# Altium PCB Z693_H93-A_KD01_V1.3_X6.PcbDoc (part 2 of 7)
Units mil, origin at the board's own origin, x right, y up, seen from the top; angles counter-clockwise.
Board outline 6229.44 x 4099.52 mil, 4 copper layers (Top Layer, Mid-Layer 1, Mid-Layer 2, Bottom Layer); 1032 components, 62 nets, 3170 pads, 1350 vias.
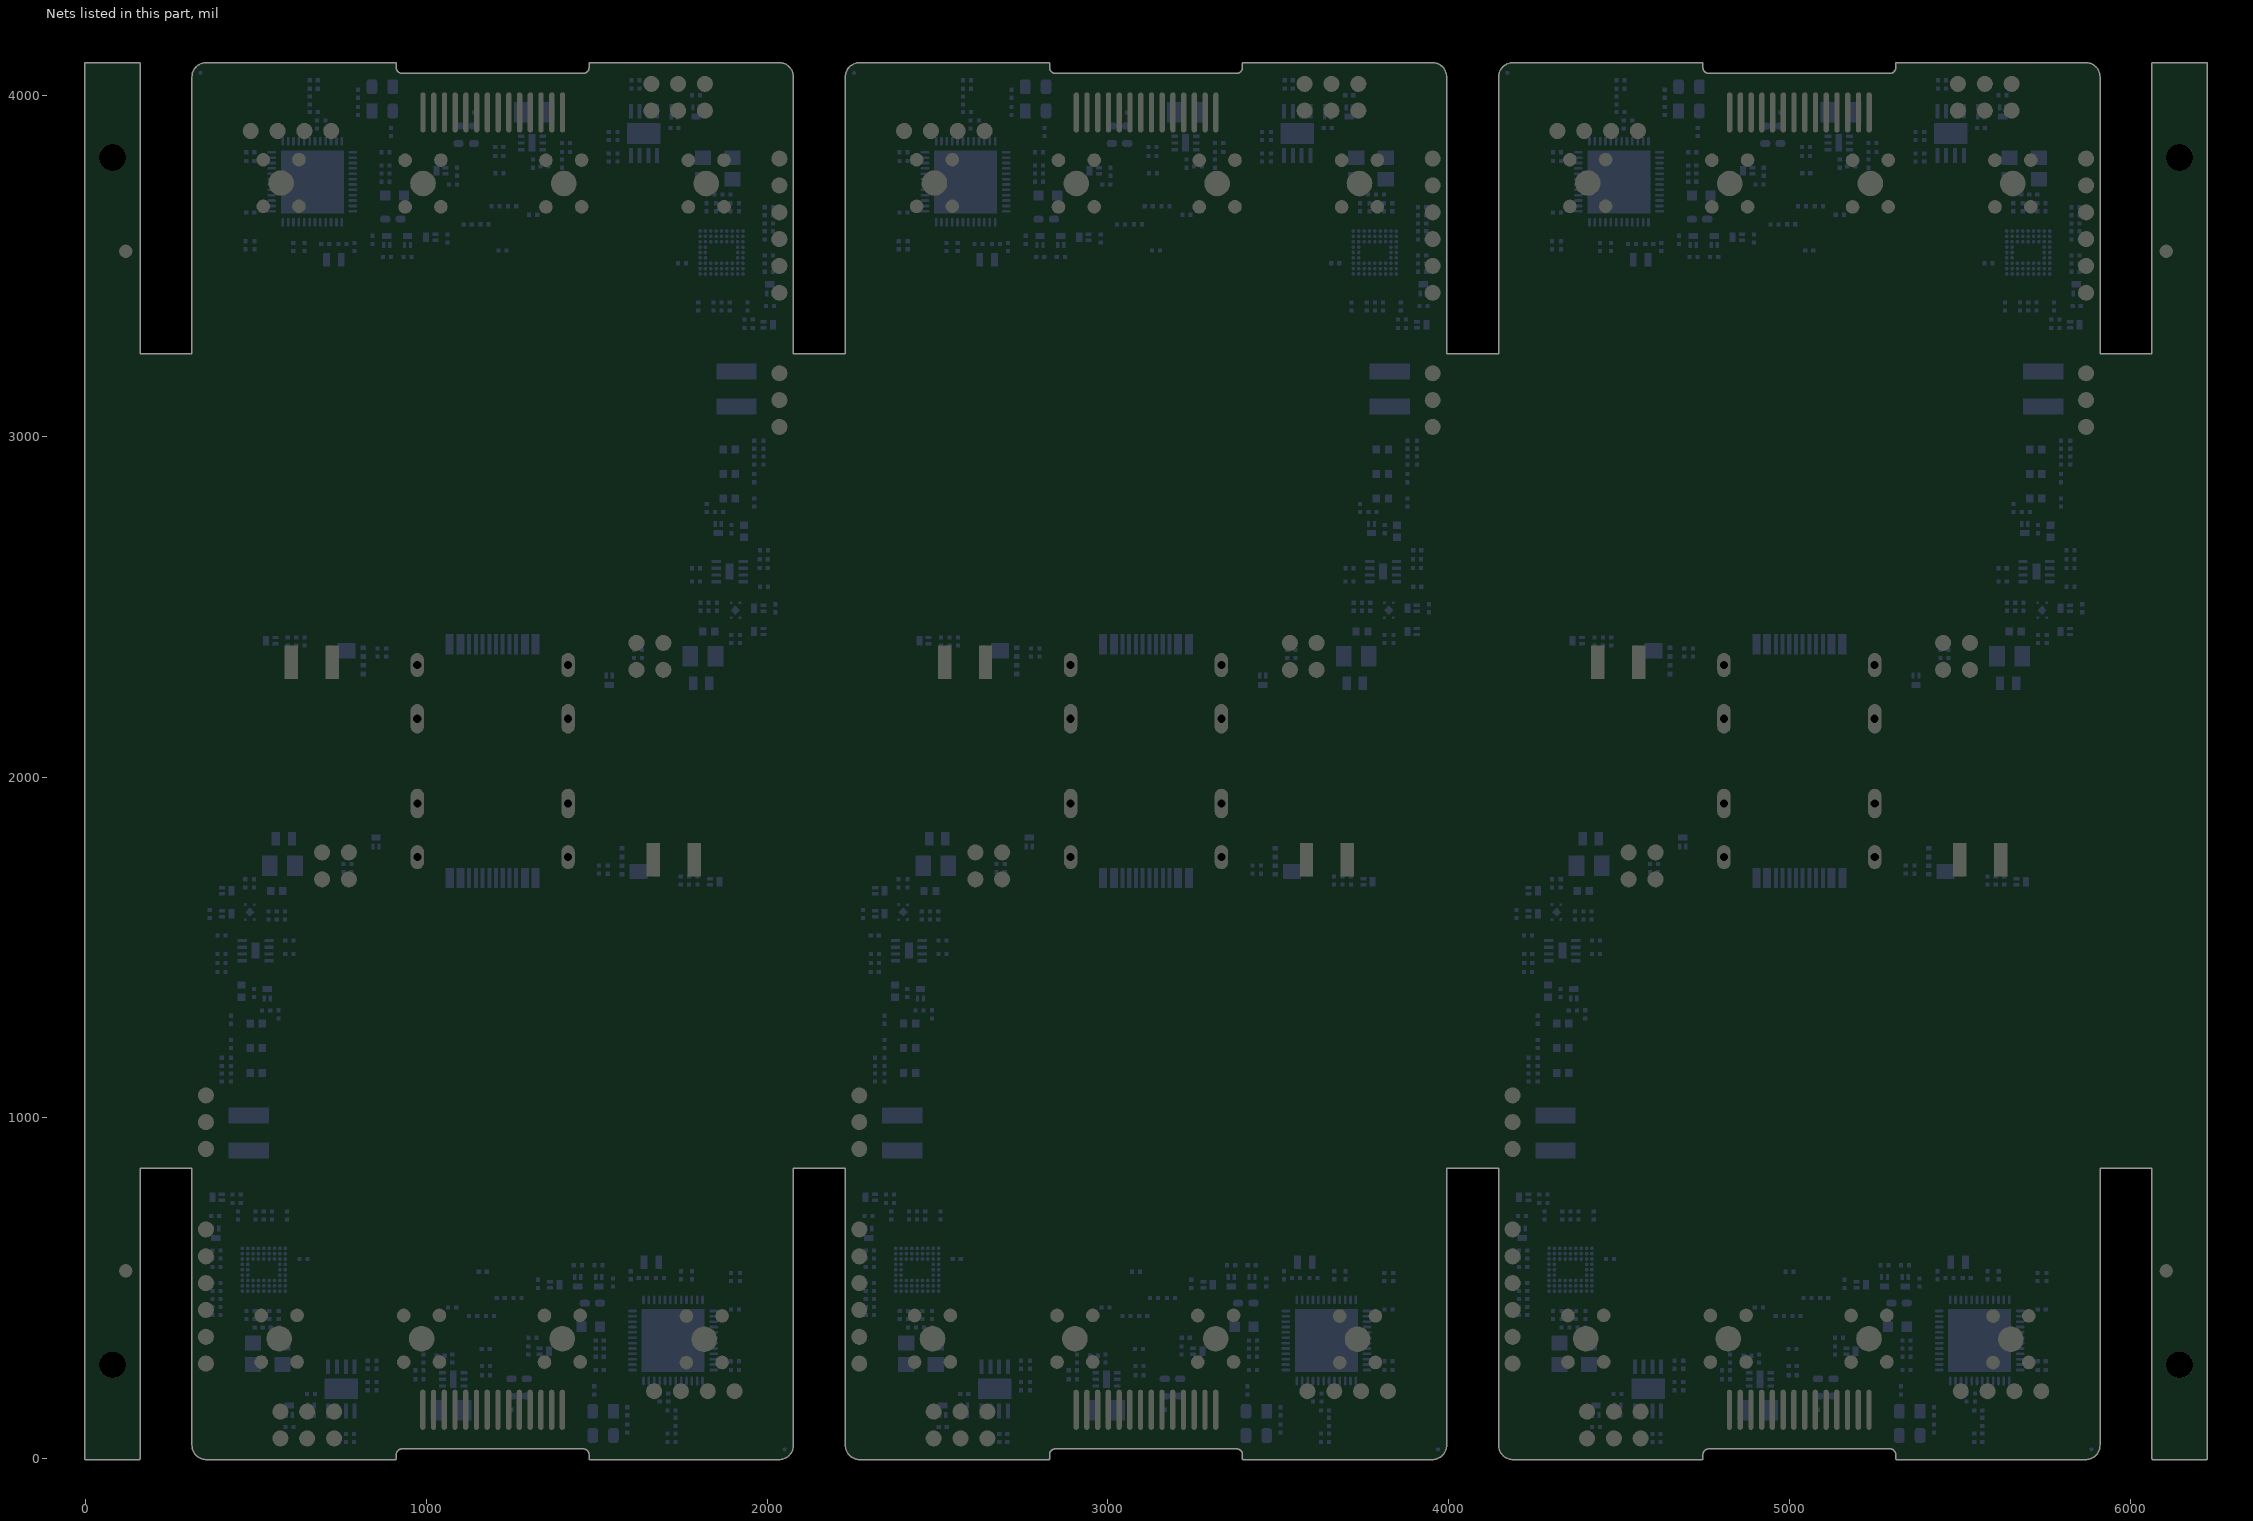
[diagram p4: the nets of this part, all layers, seen from the top]

## Components (designator, comment, footprint, x,y, rotation, side; value= is the part's Value field where it differs from the comment) (continued)
R15 "0R" FT_0201_电阻 642.63,3544.2 r90 bottom
R16 "10k" FT_0201_电阻 372.64,516.1 r0 bottom
R16 "10k" FT_0201_电阻 2289.96,516.1 r0 bottom
R16 "10k" FT_0201_电阻 4207.29,516.1 r0 bottom
R16 "10k" FT_0201_电阻 5851.77,3578.4 r180 bottom
R16 "10k" FT_0201_电阻 3934.45,3578.4 r180 bottom
R16 "10k" FT_0201_电阻 2017.13,3578.4 r180 bottom
R17 "1K1%" FT_0201_电阻 609.89,1481.25 r180 bottom
R17 "1K1%" FT_0201_电阻 2527.21,1481.25 r180 bottom
R17 "1K1%" FT_0201_电阻 4444.54,1481.25 r180 bottom
R17 "1K1%" FT_0201_电阻 5614.52,2613.24 r0 bottom
R17 "1K1%" FT_0201_电阻 3697.2,2613.24 r0 bottom
R17 "1K1%" FT_0201_电阻 1779.87,2613.24 r0 bottom
R18 "3M" FT_0201_电阻 386.89,1428.57 r0 bottom
R18 "3M" FT_0201_电阻 2304.21,1428.57 r0 bottom
R18 "3M" FT_0201_电阻 4221.54,1428.57 r0 bottom
R18 "3M" FT_0201_电阻 5837.52,2665.92 r180 bottom
R18 "3M" FT_0201_电阻 3920.2,2665.92 r180 bottom
R18 "3M" FT_0201_电阻 2002.87,2665.92 r180 bottom
R19 "0R" FT_0201_电阻 1125.88,419.01 r0 bottom
R19 "0R" FT_0201_电阻 3043.21,419.01 r0 bottom
R19 "0R" FT_0201_电阻 4960.53,419.01 r0 bottom
R19 "0R" FT_0201_电阻 5098.53,3675.48 r180 bottom
R19 "0R" FT_0201_电阻 3181.21,3675.48 r180 bottom
R19 "0R" FT_0201_电阻 1263.88,3675.48 r180 bottom
R20 "100K" FT_0201_电阻 364.38,1586.81 r90 bottom
R20 "100K" FT_0201_电阻 2281.7,1586.81 r90 bottom
R20 "100K" FT_0201_电阻 4199.03,1586.81 r90 bottom
R20 "100K" FT_0201_电阻 5860.03,2507.68 r270 bottom
R20 "100K" FT_0201_电阻 3942.71,2507.68 r270 bottom
R20 "100K" FT_0201_电阻 2025.39,2507.68 r270 bottom
R21 "100K" FT_0201_电阻 431.77,775.84 r0 bottom
R21 "100K" FT_0201_电阻 2349.1,775.84 r0 bottom
R21 "100K" FT_0201_电阻 4266.42,775.84 r0 bottom
R21 "100K" FT_0201_电阻 5792.64,3318.65 r180 bottom
R21 "100K" FT_0201_电阻 3875.32,3318.65 r180 bottom
R21 "100K" FT_0201_电阻 1957.99,3318.65 r180 bottom
R22 "0R" FT_0201_电阻 1206.8,471.88 r0 bottom
R22 "0R" FT_0201_电阻 3124.13,471.88 r0 bottom
R22 "0R" FT_0201_电阻 5041.45,471.88 r0 bottom
R22 "0R" FT_0201_电阻 5017.61,3622.62 r180 bottom
R22 "0R" FT_0201_电阻 3100.28,3622.62 r180 bottom
R22 "0R" FT_0201_电阻 1182.96,3622.62 r180 bottom
R23 "1K" FT_0201_电阻 1064.26,444.01 r0 bottom
R23 "1K" FT_0201_电阻 2981.58,444.01 r0 bottom
R23 "1K" FT_0201_电阻 4898.91,444.01 r0 bottom
R23 "1K" FT_0201_电阻 5160.15,3650.48 r180 bottom
R23 "1K" FT_0201_电阻 3242.83,3650.48 r180 bottom
R23 "1K" FT_0201_电阻 1325.5,3650.48 r180 bottom
R24 "150K" FT_0201_电阻 431.77,750.84 r0 bottom
R24 "150K" FT_0201_电阻 2349.1,750.84 r0 bottom
R24 "150K" FT_0201_电阻 4266.42,750.84 r0 bottom
R24 "150K" FT_0201_电阻 5792.64,3343.65 r180 bottom
R24 "150K" FT_0201_电阻 3875.32,3343.65 r180 bottom
R24 "150K" FT_0201_电阻 1957.99,3343.65 r180 bottom
R25 "1K" FT_0201_电阻 1153.8,548.88 r0 bottom
R25 "1K" FT_0201_电阻 3071.13,548.88 r0 bottom
R25 "1K" FT_0201_电阻 4988.45,548.88 r0 bottom
R25 "1K" FT_0201_电阻 5070.61,3545.62 r180 bottom
R25 "1K" FT_0201_电阻 3153.28,3545.62 r180 bottom
R25 "1K" FT_0201_电阻 1235.96,3545.62 r180 bottom
R26 "100K" FT_0201_电阻 541.98,1315.81 r180 bottom
R26 "100K" FT_0201_电阻 2459.3,1315.81 r180 bottom
R26 "100K" FT_0201_电阻 4376.62,1315.81 r180 bottom
R26 "100K" FT_0201_电阻 5682.44,2778.68 r0 bottom
R26 "100K" FT_0201_电阻 3765.11,2778.68 r0 bottom
R26 "100K" FT_0201_电阻 1847.79,2778.68 r0 bottom
R27 "100R" FT_0201_电阻 854.07,287.68 r270 bottom
R27 "100R" FT_0201_电阻 2771.4,287.68 r270 bottom
R27 "100R" FT_0201_电阻 4688.72,287.68 r270 bottom
R27 "100R" FT_0201_电阻 5370.34,3806.81 r90 bottom
R27 "100R" FT_0201_电阻 3453.02,3806.81 r90 bottom
R27 "100R" FT_0201_电阻 1535.69,3806.81 r90 bottom
R28 "10K" FT_0201_电阻 427.26,1205.1 r90 bottom
R28 "10K" FT_0201_电阻 2344.58,1205.1 r90 bottom
R28 "10K" FT_0201_电阻 4261.91,1205.1 r90 bottom
R28 "10K" FT_0201_电阻 5797.15,2889.4 r270 bottom
R28 "10K" FT_0201_电阻 3879.83,2889.4 r270 bottom
R28 "10K" FT_0201_电阻 1962.5,2889.4 r270 bottom
R29 "NC" FT_0201_电阻 427.26,1300.1 r270 bottom
R29 "NC" FT_0201_电阻 2344.58,1300.1 r270 bottom
R29 "NC" FT_0201_电阻 4261.91,1300.1 r270 bottom
R29 "NC" FT_0201_电阻 5797.15,2794.4 r90 bottom
R29 "NC" FT_0201_电阻 3879.83,2794.4 r90 bottom
R29 "NC" FT_0201_电阻 1962.5,2794.4 r90 bottom
R30 "10k" FT_0201_电阻 1497.47,299.1 r0 bottom
R30 "10k" FT_0201_电阻 3414.8,299.1 r0 bottom
R30 "10k" FT_0201_电阻 5332.12,299.1 r0 bottom
R30 "10k" FT_0201_电阻 4726.94,3795.4 r180 bottom
R30 "10k" FT_0201_电阻 2809.62,3795.4 r180 bottom
R30 "10k" FT_0201_电阻 892.29,3795.4 r180 bottom
R31 "100K" FT_0201_电阻 1493.54,567.54 r0 bottom
R31 "100K" FT_0201_电阻 3410.87,567.54 r0 bottom
R31 "100K" FT_0201_电阻 5328.19,567.54 r0 bottom
R31 "100K" FT_0201_电阻 4730.87,3526.95 r180 bottom
R31 "100K" FT_0201_电阻 2813.55,3526.95 r180 bottom
R31 "100K" FT_0201_电阻 896.22,3526.95 r180 bottom
R32 "0R" FT_0201_电阻 1497.47,260.48 r0 bottom
R32 "0R" FT_0201_电阻 3414.8,260.48 r0 bottom
R32 "0R" FT_0201_电阻 5332.12,260.48 r0 bottom
R32 "0R" FT_0201_电阻 4726.94,3834.01 r180 bottom
R32 "0R" FT_0201_电阻 2809.62,3834.01 r180 bottom
R32 "0R" FT_0201_电阻 892.29,3834.01 r180 bottom
R34 "100K" FT_0201_电阻 1327.82,501.38 r90 bottom
R34 "100K" FT_0201_电阻 3245.14,501.38 r90 bottom
R34 "100K" FT_0201_电阻 5162.47,501.38 r90 bottom
R34 "100K" FT_0201_电阻 4896.59,3593.11 r270 bottom
R34 "100K" FT_0201_电阻 2979.27,3593.11 r270 bottom
R34 "100K" FT_0201_电阻 1061.95,3593.11 r270 bottom
R35 "100K" FT_0201_电阻 1433.04,567.54 r0 bottom
R35 "100K" FT_0201_电阻 3350.37,567.54 r0 bottom
R35 "100K" FT_0201_电阻 5267.69,567.54 r0 bottom
R35 "100K" FT_0201_电阻 4791.37,3526.95 r180 bottom
R35 "100K" FT_0201_电阻 2874.05,3526.95 r180 bottom
R35 "100K" FT_0201_电阻 956.72,3526.95 r180 bottom
R37 "100R" FT_0201_电阻 828.48,287.68 r270 bottom
R37 "100R" FT_0201_电阻 2745.8,287.68 r270 bottom
R37 "100R" FT_0201_电阻 4663.13,287.68 r270 bottom
R37 "100R" FT_0201_电阻 5395.93,3806.81 r90 bottom
R37 "100R" FT_0201_电阻 3478.61,3806.81 r90 bottom
R37 "100R" FT_0201_电阻 1561.28,3806.81 r90 bottom
R38 "100K" FT_0201_电阻 649.73,189.6 r0 bottom
R38 "100K" FT_0201_电阻 2567.06,189.6 r0 bottom
R38 "100K" FT_0201_电阻 4484.38,189.6 r0 bottom
R38 "100K" FT_0201_电阻 5574.68,3904.89 r180 bottom
R38 "100K" FT_0201_电阻 3657.36,3904.89 r180 bottom
R38 "100K" FT_0201_电阻 1740.03,3904.89 r180 bottom
R39 "100k" FT_0201_电阻 1894.35,286.1 r0 bottom
R39 "100k" FT_0201_电阻 3811.68,286.1 r0 bottom
R39 "100k" FT_0201_电阻 5729,286.1 r0 bottom
R39 "100k" FT_0201_电阻 4330.06,3808.4 r180 bottom
R39 "100k" FT_0201_电阻 2412.73,3808.4 r180 bottom
R39 "100k" FT_0201_电阻 495.41,3808.4 r180 bottom
R40 "100K" FT_0201_电阻 610.12,93.1 r180 bottom
R40 "100K" FT_0201_电阻 2527.44,93.1 r180 bottom
R40 "100K" FT_0201_电阻 4444.77,93.1 r180 bottom
R40 "100K" FT_0201_电阻 5614.29,4001.4 r0 bottom
R40 "100K" FT_0201_电阻 3696.97,4001.4 r0 bottom
R40 "100K" FT_0201_电阻 1779.65,4001.4 r0 bottom
R41 "100K" FT_0201_电阻 1796.34,1684.65 r90 bottom
R41 "100K" FT_0201_电阻 3713.66,1684.65 r90 bottom
R41 "100K" FT_0201_电阻 5630.99,1684.65 r90 bottom
R41 "100K" FT_0201_电阻 4428.07,2409.84 r270 bottom
R41 "100K" FT_0201_电阻 2510.75,2409.84 r270 bottom
R41 "100K" FT_0201_电阻 593.43,2409.84 r270 bottom
R42 "150K" FT_0201_电阻 1746.64,1684.65 r90 bottom
R42 "150K" FT_0201_电阻 3663.96,1684.65 r90 bottom
R42 "150K" FT_0201_电阻 5581.29,1684.65 r90 bottom
R42 "150K" FT_0201_电阻 4477.77,2409.84 r270 bottom
R42 "150K" FT_0201_电阻 2560.45,2409.84 r270 bottom
R42 "150K" FT_0201_电阻 643.13,2409.84 r270 bottom
R43 "4.7K" FT_0201_电阻 828.48,201.1 r90 bottom
R43 "4.7K" FT_0201_电阻 2745.8,201.1 r90 bottom
R43 "4.7K" FT_0201_电阻 4663.13,201.1 r90 bottom
R43 "4.7K" FT_0201_电阻 5395.93,3893.4 r270 bottom
R43 "4.7K" FT_0201_电阻 3478.61,3893.4 r270 bottom
R43 "4.7K" FT_0201_电阻 1561.28,3893.4 r270 bottom
R44 "10K" FT_0201_电阻 494.12,1378.37 r270 bottom
R44 "10K" FT_0201_电阻 2411.44,1378.37 r270 bottom
R44 "10K" FT_0201_电阻 4328.77,1378.37 r270 bottom
R44 "10K" FT_0201_电阻 5730.29,2716.12 r90 bottom
R44 "10K" FT_0201_电阻 3812.97,2716.12 r90 bottom
R44 "10K" FT_0201_电阻 1895.65,2716.12 r90 bottom
R45 "10K" FT_0201_电阻 427.26,1152.91 r90 bottom
R45 "10K" FT_0201_电阻 2344.58,1152.91 r90 bottom
R45 "10K" FT_0201_电阻 4261.91,1152.91 r90 bottom
R45 "10K" FT_0201_电阻 5797.15,2941.58 r270 bottom
R45 "10K" FT_0201_电阻 3879.83,2941.58 r270 bottom
R45 "10K" FT_0201_电阻 1962.5,2941.58 r270 bottom
R46 "20K" FT_0201_电阻 400.02,1176.53 r270 bottom
R46 "20K" FT_0201_电阻 2317.35,1176.53 r270 bottom
R46 "20K" FT_0201_电阻 4234.67,1176.53 r270 bottom
R46 "20K" FT_0201_电阻 5824.39,2917.96 r90 bottom
R46 "20K" FT_0201_电阻 3907.06,2917.96 r90 bottom
R46 "20K" FT_0201_电阻 1989.74,2917.96 r90 bottom
R47 "20K/1%" FT_0201_电阻 396.26,611.09 r180 bottom
R47 "20K/1%" FT_0201_电阻 2313.58,611.09 r180 bottom
R47 "20K/1%" FT_0201_电阻 4230.91,611.09 r180 bottom
R47 "20K/1%" FT_0201_电阻 5828.15,3483.4 r0 bottom
R47 "20K/1%" FT_0201_电阻 3910.83,3483.4 r0 bottom
R47 "20K/1%" FT_0201_电阻 1993.5,3483.4 r0 bottom
R48 "120K/1%" FT_0201_电阻 372.64,587.09 r0 bottom
R48 "120K/1%" FT_0201_电阻 2289.96,587.09 r0 bottom
R48 "120K/1%" FT_0201_电阻 4207.29,587.09 r0 bottom
R48 "120K/1%" FT_0201_电阻 5851.77,3507.4 r180 bottom
R48 "120K/1%" FT_0201_电阻 3934.45,3507.4 r180 bottom
R48 "120K/1%" FT_0201_电阻 2017.13,3507.4 r180 bottom
R49 "100K" FT_0201_电阻 1299.34,305.93 r90 bottom
R49 "100K" FT_0201_电阻 3216.66,305.93 r90 bottom
R49 "100K" FT_0201_电阻 5133.98,305.93 r90 bottom
R49 "100K" FT_0201_电阻 4925.08,3788.56 r270 bottom
R49 "100K" FT_0201_电阻 3007.75,3788.56 r270 bottom
R49 "100K" FT_0201_电阻 1090.43,3788.56 r270 bottom
R50 "4.7K" FT_0201_电阻 1198.5,419.01 r180 bottom
R50 "4.7K" FT_0201_电阻 3115.83,419.01 r180 bottom
R50 "4.7K" FT_0201_电阻 5033.15,419.01 r180 bottom
R50 "4.7K" FT_0201_电阻 5025.91,3675.48 r0 bottom
R50 "4.7K" FT_0201_电阻 3108.58,3675.48 r0 bottom
R50 "4.7K" FT_0201_电阻 1191.26,3675.48 r0 bottom
R51 "4.7K" FT_0201_电阻 1279.88,472.01 r180 bottom
R51 "4.7K" FT_0201_电阻 3197.21,472.01 r180 bottom
R51 "4.7K" FT_0201_电阻 5114.53,472.01 r180 bottom
R51 "4.7K" FT_0201_电阻 4944.53,3622.48 r0 bottom
R51 "4.7K" FT_0201_电阻 3027.21,3622.48 r0 bottom
R51 "4.7K" FT_0201_电阻 1109.88,3622.48 r0 bottom
R52 "150K" FT_0201_电阻 1323.34,354.93 r180 bottom
R52 "150K" FT_0201_电阻 3240.66,354.93 r180 bottom
R52 "150K" FT_0201_电阻 5157.98,354.93 r180 bottom
R52 "150K" FT_0201_电阻 4901.08,3739.56 r0 bottom
R52 "150K" FT_0201_电阻 2983.75,3739.56 r0 bottom
R52 "150K" FT_0201_电阻 1066.43,3739.56 r0 bottom
R53 "4.7K" FT_0201_电阻 854.07,201.1 r90 bottom
R53 "4.7K" FT_0201_电阻 2771.4,201.1 r90 bottom
R53 "4.7K" FT_0201_电阻 4688.72,201.1 r90 bottom
R53 "4.7K" FT_0201_电阻 5370.34,3893.4 r270 bottom
R53 "4.7K" FT_0201_电阻 3453.02,3893.4 r270 bottom
R53 "4.7K" FT_0201_电阻 1535.69,3893.4 r270 bottom
R54 "10K" FT_0201_电阻 1163.63,271.78 r0 bottom
R54 "10K" FT_0201_电阻 3080.95,271.78 r0 bottom
R54 "10K" FT_0201_电阻 4998.28,271.78 r0 bottom
R54 "10K" FT_0201_电阻 5060.78,3822.71 r180 bottom
R54 "10K" FT_0201_电阻 3143.46,3822.71 r180 bottom
R54 "10K" FT_0201_电阻 1226.13,3822.71 r180 bottom
R55 "62K" FT_0201_电阻 1076.26,305.72 r270 bottom
R55 "62K" FT_0201_电阻 2993.58,305.72 r270 bottom
R55 "62K" FT_0201_电阻 4910.91,305.72 r270 bottom
R55 "62K" FT_0201_电阻 5148.15,3788.77 r90 bottom
R55 "62K" FT_0201_电阻 3230.83,3788.77 r90 bottom
R55 "62K" FT_0201_电阻 1313.5,3788.77 r90 bottom
R56 "2K" FT_0201_电阻 1054.26,302.29 r180 bottom
R56 "2K" FT_0201_电阻 2971.58,302.29 r180 bottom
R56 "2K" FT_0201_电阻 4888.91,302.29 r180 bottom
R56 "2K" FT_0201_电阻 5170.15,3792.2 r0 bottom
R56 "2K" FT_0201_电阻 3252.83,3792.2 r0 bottom
R56 "2K" FT_0201_电阻 1335.5,3792.2 r0 bottom
R57 "10K" FT_0201_电阻 1187.25,245.1 r180 bottom
R57 "10K" FT_0201_电阻 3104.58,245.1 r180 bottom
R57 "10K" FT_0201_电阻 5021.9,245.1 r180 bottom
R57 "10K" FT_0201_电阻 5037.16,3849.4 r0 bottom
R57 "10K" FT_0201_电阻 3119.84,3849.4 r0 bottom
R57 "10K" FT_0201_电阻 1202.51,3849.4 r0 bottom
R58 "1M" FT_0201_电阻 1273.35,143.56 r180 bottom
R58 "1M" FT_0201_电阻 3190.67,143.56 r180 bottom
R58 "1M" FT_0201_电阻 5107.99,143.56 r180 bottom
R58 "1M" FT_0201_电阻 4951.07,3950.93 r0 bottom
R58 "1M" FT_0201_电阻 3033.74,3950.93 r0 bottom
R58 "1M" FT_0201_电阻 1116.42,3950.93 r0 bottom
R59 "12R" FT_0805 540.8,1739.88 r0 bottom
R59 "12R" FT_0805 2458.13,1739.88 r0 bottom
R59 "12R" FT_0805 4375.45,1739.88 r0 bottom
R59 "12R" FT_0805 5683.61,2354.62 r180 bottom
R59 "12R" FT_0805 3766.28,2354.62 r180 bottom
R59 "12R" FT_0805 1848.96,2354.62 r180 bottom
R60 "100K" FT_0201_电阻 368.8,711.88 r0 bottom
R60 "100K" FT_0201_电阻 2286.13,711.88 r0 bottom
R60 "100K" FT_0201_电阻 4203.45,711.88 r0 bottom
R60 "100K" FT_0201_电阻 5855.61,3382.62 r180 bottom
R60 "100K" FT_0201_电阻 3938.28,3382.62 r180 bottom
R60 "100K" FT_0201_电阻 2020.96,3382.62 r180 bottom
RESET1 "" FT_TEST_1#1 571.88,59.56 r0 top
RESET1 "" FT_TEST_1#1 2489.21,59.56 r0 top
RESET1 "" FT_TEST_1#1 4406.53,59.56 r0 top
RESET1 "" FT_TEST_1#1 5652.53,4034.93 r180 top
RESET1 "" FT_TEST_1#1 3735.21,4034.93 r180 top
RESET1 "" FT_TEST_1#1 1817.88,4034.93 r180 top
RST "" FT_TEST_1#1 353.39,357.82 r180 top
RST "" FT_TEST_1#1 2270.72,357.82 r180 top
RST "" FT_TEST_1#1 4188.04,357.82 r180 top
RST "" FT_TEST_1#1 5871.02,3736.67 r0 top
RST "" FT_TEST_1#1 3953.69,3736.67 r0 top
RST "" FT_TEST_1#1 2036.37,3736.67 r0 top
RX "" FT_TEST_1#1 353.39,515.3 r90 top
RX "" FT_TEST_1#1 2270.72,515.3 r90 top
RX "" FT_TEST_1#1 4188.04,515.3 r90 top
RX "" FT_TEST_1#1 5871.02,3579.19 r270 top
RX "" FT_TEST_1#1 3953.69,3579.19 r270 top
RX "" FT_TEST_1#1 2036.37,3579.19 r270 top
SC1 "" FT_TEST_1#1 1826.12,198 r0 top
SC1 "" FT_TEST_1#1 3743.44,198 r0 top
SC1 "" FT_TEST_1#1 5660.77,198 r0 top
SC1 "" FT_TEST_1#1 4398.29,3896.49 r180 top
SC1 "" FT_TEST_1#1 2480.97,3896.49 r180 top
SC1 "" FT_TEST_1#1 563.65,3896.49 r180 top
SD1 "" FT_TEST_1#1 1747.38,198 r0 top
SD1 "" FT_TEST_1#1 3664.7,198 r0 top
SD1 "" FT_TEST_1#1 5582.03,198 r0 top
SD1 "" FT_TEST_1#1 4477.03,3896.49 r180 top
SD1 "" FT_TEST_1#1 2559.71,3896.49 r180 top
SD1 "" FT_TEST_1#1 642.39,3896.49 r180 top
T1 "" FT_TEST_1#1 353.39,1066.48 r180 top
T1 "" FT_TEST_1#1 2270.72,1066.48 r180 top
T1 "" FT_TEST_1#1 4188.04,1066.48 r180 top
T1 "" FT_TEST_1#1 5871.02,3028.01 r0 top
T1 "" FT_TEST_1#1 3953.69,3028.01 r0 top
T1 "" FT_TEST_1#1 2036.37,3028.01 r0 top
T2 "" FT_TEST_1#1 353.39,672.78 r180 top
T2 "" FT_TEST_1#1 2270.72,672.78 r180 top
T2 "" FT_TEST_1#1 4188.04,672.78 r180 top
T2 "" FT_TEST_1#1 5871.02,3421.71 r0 top
T2 "" FT_TEST_1#1 3953.69,3421.71 r0 top
T2 "" FT_TEST_1#1 2036.37,3421.71 r0 top
TX "" FT_TEST_1#1 353.39,594.04 r90 top
TX "" FT_TEST_1#1 2270.72,594.04 r90 top
TX "" FT_TEST_1#1 4188.04,594.04 r90 top
TX "" FT_TEST_1#1 5871.02,3500.45 r270 top
TX "" FT_TEST_1#1 3953.69,3500.45 r270 top